# KiCad board armory.kicad_pcb (continued)
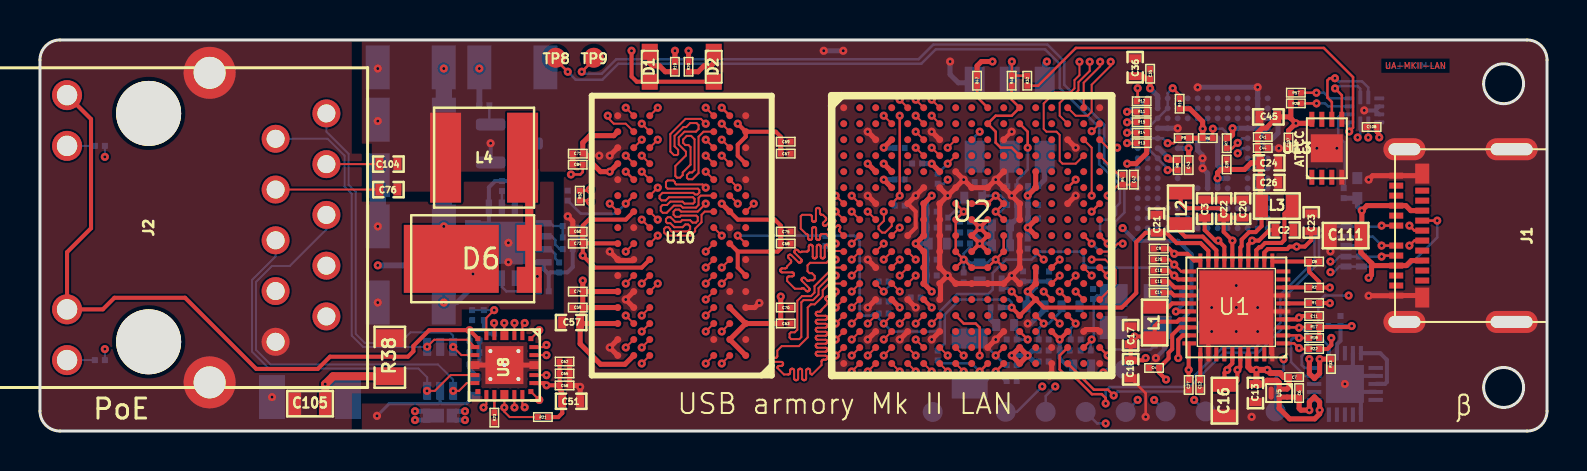
[diagram p0: board, top side]
## Footprints (pads in the part's own frame, mm; a bottom-side part is the same pattern mirrored in y, then rotated) (continued)
MICRON-FBGA-96
  round 0.35 smd: A1(1.3,13) A2(2.1,13) A3(2.9,13) A7(6.1,13) A8(6.9,13) A9(7.7,13) B1(1.3,12.2) B2(2.1,12.2) B3(2.9,12.2) B7(6.1,12.2) B8(6.9,12.2) B9(7.7,12.2) C1(1.3,11.4) C2(2.1,11.4) C3(2.9,11.4) C7(6.1,11.4) C8(6.9,11.4) C9(7.7,11.4) D1(1.3,10.6) D2(2.1,10.6) D3(2.9,10.6) D7(6.1,10.6) D8(6.9,10.6) D9(7.7,10.6) E1(1.3,9.8) E2(2.1,9.8) E3(2.9,9.8) E7(6.1,9.8) E8(6.9,9.8) E9(7.7,9.8) F1(1.3,9) F2(2.1,9) F3(2.9,9) F7(6.1,9) F8(6.9,9) F9(7.7,9) G1(1.3,8.2) G2(2.1,8.2) G3(2.9,8.2) G7(6.1,8.2) G8(6.9,8.2) G9(7.7,8.2) H1(1.3,7.4) H2(2.1,7.4) H3(2.9,7.4) H7(6.1,7.4) H8(6.9,7.4) H9(7.7,7.4) J1(1.3,6.6) J2(2.1,6.6) J3(2.9,6.6) J7(6.1,6.6) J8(6.9,6.6) J9(7.7,6.6) K1(1.3,5.8) K2(2.1,5.8) K3(2.9,5.8) K7(6.1,5.8) K8(6.9,5.8) K9(7.7,5.8) L1(1.3,5) L2(2.1,5) L3(2.9,5) L7(6.1,5) L8(6.9,5) L9(7.7,5) M1(1.3,4.2) M2(2.1,4.2) M3(2.9,4.2) M7(6.1,4.2) M8(6.9,4.2) M9(7.7,4.2) N1(1.3,3.4) N2(2.1,3.4) N3(2.9,3.4) N7(6.1,3.4) N8(6.9,3.4) N9(7.7,3.4) P1(1.3,2.6) P2(2.1,2.6) P3(2.9,2.6) P7(6.1,2.6) P8(6.9,2.6) P9(7.7,2.6) R1(1.3,1.8) R2(2.1,1.8) R3(2.9,1.8) R7(6.1,1.8) R8(6.9,1.8) R9(7.7,1.8) T1(1.3,1) T2(2.1,1) T3(2.9,1) T7(6.1,1) T8(6.9,1) T9(7.7,1)
MOLEX_105450-0101
  rect 0.3x0.7 smd: A1(-3,7.54) A2(-2.5,7.54) A3(-2,7.54) A4(-1.5,7.54) A5(-1,7.54) A6(-0.5,7.54) A7(0.5,7.54) A8(1,7.54) A9(1.5,7.54) A10(2,7.54) A11(2.5,7.54) A12(3,7.54) B2(2.25,6.24) B3(1.75,6.24) B4(1.25,6.24) B5(0.75,6.24) B6(0.25,6.24) B7(-0.25,6.24) B8(-0.75,6.24) B9(-1.25,6.24) B10(-1.75,6.24) B11(-2.25,6.24)
  rect 1x0.7 smd: B1(3.1,6.24) B12(-3.1,6.24)
  oval 1.1x2.1 hole 0.6x1.6: S(-4.32,7.13) S(4.32,7.13)
  oval 1.1x2.6 hole 0.6x2.1: S(-4.32,1.77) S(4.32,1.77)
RWB-QFN-12
  rrect 0.7x0.2 smd: 1(-0.65,0.2) 2(-0.65,-0.2) 7(0.65,-0.2) 8(0.65,0.2)
  rrect 0.2x0.5 smd: 3(-0.6,-0.75) 4(-0.2,-0.75) 5(0.2,-0.75) 6(0.6,-0.75) 9(0.6,0.75) 10(0.2,0.75) 11(-0.2,0.75) 12(-0.6,0.75)
SM0201
  rect 0.3x0.3 smd: 1(-0.25,0) 2(0.25,0)
SM0402
  rect 0.399x0.599 smd: 1(-0.45,0) 2(0.45,0)
SM0603
  rect 0.635x1.143 smd: 1(-0.762,0) 2(0.762,0)
SM0603_LED
  rect 0.8x0.8 smd: 1(-0.75,0) 2(0.75,0)
SM0805
  rect 0.889x1.397 smd: 1(-0.953,0) 2(0.953,0)
SM1210
  rect 1.2x2.2 smd: 1(-1.651,0) 2(1.651,0)
SOT1369-4
  rect 0.7x0.2 smd: 1(-2.35,1.8) 2(-2.35,1.4) 3(-2.35,1) 4(-2.35,0.6) 5(-2.35,0.2) 6(-2.35,-0.2) 7(-2.35,-0.6) 8(-2.35,-1) 9(-2.35,-1.4) 10(-2.35,-1.8) 21(2.35,-1.8) 22(2.35,-1.4) 23(2.35,-1) 24(2.35,-0.6) 25(2.35,-0.2) 26(2.35,0.2) 27(2.35,0.6) 28(2.35,1) 29(2.35,1.4) 30(2.35,1.8)
  rect 0.2x0.7 smd: 11(-1.8,-2.35) 12(-1.4,-2.35) 13(-1,-2.35) 14(-0.6,-2.35) 15(-0.2,-2.35) 16(0.2,-2.35) 17(0.6,-2.35) 18(1,-2.35) 19(1.4,-2.35) 20(1.8,-2.35) 31(1.8,2.35) 32(1.4,2.35) 33(1,2.35) 34(0.6,2.35) 35(0.2,2.35) 36(-0.2,2.35) 37(-0.6,2.35) 38(-1,2.35) 39(-1.4,2.35) 40(-1.8,2.35)
  rect 3.7x3.7 smd: 41(0,0)
SOT1534-2
  round 0.35 smd: A1(-6.4,6.4) A2(-5.6,6.4) A3(-4.8,6.4) A4(-4,6.4) A5(-3.2,6.4) A6(-2.4,6.4) A7(-1.6,6.4) A8(-0.8,6.4) A9(0,6.4) A10(0.8,6.4) A11(1.6,6.4) A12(2.4,6.4) A13(3.2,6.4) A14(4,6.4) A15(4.8,6.4) A16(5.6,6.4) A17(6.4,6.4) B1(-6.4,5.6) B2(-5.6,5.6) B3(-4.8,5.6) B4(-4,5.6) B5(-3.2,5.6) B6(-2.4,5.6) B7(-1.6,5.6) B8(-0.8,5.6) B9(0,5.6) B10(0.8,5.6) B11(1.6,5.6) B12(2.4,5.6) B13(3.2,5.6) B14(4,5.6) B15(4.8,5.6) B16(5.6,5.6) B17(6.4,5.6) C1(-6.4,4.8) C2(-5.6,4.8) C3(-4.8,4.8) C4(-4,4.8) C5(-3.2,4.8) C6(-2.4,4.8) C7(-1.6,4.8) C8(-0.8,4.8) C9(0,4.8) C10(0.8,4.8) C11(1.6,4.8) C12(2.4,4.8) C13(3.2,4.8) C14(4,4.8) C15(4.8,4.8) C16(5.6,4.8) C17(6.4,4.8) D1(-6.4,4) D2(-5.6,4) D3(-4.8,4) D4(-4,4) D5(-3.2,4) D6(-2.4,4) D7(-1.6,4) D8(-0.8,4) D9(0,4) D10(0.8,4) D11(1.6,4) D12(2.4,4) D13(3.2,4) D14(4,4) D15(4.8,4) D16(5.6,4) D17(6.4,4) E1(-6.4,3.2) E2(-5.6,3.2) E3(-4.8,3.2) E4(-4,3.2) E5(-3.2,3.2) E6(-2.4,3.2) E7(-1.6,3.2) E8(-0.8,3.2) E9(0,3.2) E10(0.8,3.2) E11(1.6,3.2) E12(2.4,3.2) E13(3.2,3.2) E14(4,3.2) E15(4.8,3.2) E16(5.6,3.2) E17(6.4,3.2) F1(-6.4,2.4) F2(-5.6,2.4) F3(-4.8,2.4) F4(-4,2.4) F5(-3.2,2.4) F6(-2.4,2.4) F7(-1.6,2.4) F8(-0.8,2.4) F9(0,2.4) F10(0.8,2.4) F11(1.6,2.4) F12(2.4,2.4) F13(3.2,2.4) F14(4,2.4) F15(4.8,2.4) F16(5.6,2.4) F17(6.4,2.4) G1(-6.4,1.6) G2(-5.6,1.6) G3(-4.8,1.6) G4(-4,1.6) G5(-3.2,1.6) G6(-2.4,1.6) G7(-1.6,1.6) G8(-0.8,1.6) G9(0,1.6) G10(0.8,1.6) G11(1.6,1.6) G12(2.4,1.6) G13(3.2,1.6) G14(4,1.6) G15(4.8,1.6) G16(5.6,1.6) G17(6.4,1.6) H1(-6.4,0.8) H2(-5.6,0.8) H3(-4.8,0.8) H4(-4,0.8) H5(-3.2,0.8) H6(-2.4,0.8) H7(-1.6,0.8) H8(-0.8,0.8) H9(0,0.8) H10(0.8,0.8) H11(1.6,0.8) H12(2.4,0.8) H13(3.2,0.8) H14(4,0.8) H15(4.8,0.8) H16(5.6,0.8) H17(6.4,0.8) J1(-6.4,0) J2(-5.6,0) J3(-4.8,0) J4(-4,0) J5(-3.2,0) J6(-2.4,0) J7(-1.6,0) J8(-0.8,0) J9(0,0) J10(0.8,0) J11(1.6,0) J12(2.4,0) J13(3.2,0) J14(4,0) J15(4.8,0) J16(5.6,0) J17(6.4,0) K1(-6.4,-0.8) K2(-5.6,-0.8) K3(-4.8,-0.8) K4(-4,-0.8) K5(-3.2,-0.8) K6(-2.4,-0.8) K7(-1.6,-0.8) K8(-0.8,-0.8) K9(0,-0.8) K10(0.8,-0.8) K11(1.6,-0.8) K12(2.4,-0.8) K13(3.2,-0.8) K14(4,-0.8) K15(4.8,-0.8) K16(5.6,-0.8) K17(6.4,-0.8) L1(-6.4,-1.6) L2(-5.6,-1.6) L3(-4.8,-1.6) L4(-4,-1.6) L5(-3.2,-1.6) L6(-2.4,-1.6) L7(-1.6,-1.6) L8(-0.8,-1.6) L9(0,-1.6) L10(0.8,-1.6) L11(1.6,-1.6) L12(2.4,-1.6) L13(3.2,-1.6) L14(4,-1.6) L15(4.8,-1.6) L16(5.6,-1.6) L17(6.4,-1.6) M1(-6.4,-2.4) M2(-5.6,-2.4) M3(-4.8,-2.4) M4(-4,-2.4) M5(-3.2,-2.4) M6(-2.4,-2.4) M7(-1.6,-2.4) M8(-0.8,-2.4) M9(0,-2.4) M10(0.8,-2.4) M11(1.6,-2.4) M12(2.4,-2.4) M13(3.2,-2.4) M14(4,-2.4) M15(4.8,-2.4) M16(5.6,-2.4) M17(6.4,-2.4) N1(-6.4,-3.2) N2(-5.6,-3.2) N3(-4.8,-3.2) N4(-4,-3.2) N5(-3.2,-3.2) N6(-2.4,-3.2) N7(-1.6,-3.2) N8(-0.8,-3.2) N9(0,-3.2) N10(0.8,-3.2) N11(1.6,-3.2) N12(2.4,-3.2) N13(3.2,-3.2) N14(4,-3.2) N15(4.8,-3.2) N16(5.6,-3.2) N17(6.4,-3.2) P1(-6.4,-4) P2(-5.6,-4) P3(-4.8,-4) P4(-4,-4) P5(-3.2,-4) P6(-2.4,-4) P7(-1.6,-4) P8(-0.8,-4) P9(0,-4) P10(0.8,-4) P11(1.6,-4) P12(2.4,-4) P13(3.2,-4) P14(4,-4) P15(4.8,-4) P16(5.6,-4) P17(6.4,-4) R1(-6.4,-4.8) R2(-5.6,-4.8) R3(-4.8,-4.8) R4(-4,-4.8) R5(-3.2,-4.8) R6(-2.4,-4.8) R7(-1.6,-4.8) R8(-0.8,-4.8) R9(0,-4.8) R10(0.8,-4.8) R11(1.6,-4.8) R12(2.4,-4.8) R13(3.2,-4.8) R14(4,-4.8) R15(4.8,-4.8) R16(5.6,-4.8) R17(6.4,-4.8) T1(-6.4,-5.6) T2(-5.6,-5.6) T3(-4.8,-5.6) T4(-4,-5.6) T5(-3.2,-5.6) T6(-2.4,-5.6) T7(-1.6,-5.6) T8(-0.8,-5.6) T9(0,-5.6) T10(0.8,-5.6) T11(1.6,-5.6) T12(2.4,-5.6) T13(3.2,-5.6) T14(4,-5.6) T15(4.8,-5.6) T16(5.6,-5.6) T17(6.4,-5.6) U1(-6.4,-6.4) U2(-5.6,-6.4) U3(-4.8,-6.4) U4(-4,-6.4) U5(-3.2,-6.4) U6(-2.4,-6.4) U7(-1.6,-6.4) U8(-0.8,-6.4) U9(0,-6.4) U10(0.8,-6.4) U11(1.6,-6.4) U12(2.4,-6.4) U13(3.2,-6.4) U14(4,-6.4) U15(4.8,-6.4) U16(5.6,-6.4) U17(6.4,-6.4)
SOT1969-1
  rect 0.74x0.74 smd: (-0.463,-0.463) (-0.463,0.463) (0.463,0.463)
  rect 0.725x0.2 smd: 1(-1.538,0.8) 2(-1.538,0.4) 3(-1.538,0) 4(-1.538,-0.4) 5(-1.538,-0.8) 11(1.538,-0.8) 12(1.538,-0.4) 13(1.538,0) 14(1.538,0.4) 15(1.538,0.8)
  rect 0.2x0.725 smd: 6(-0.8,-1.538) 7(-0.4,-1.538) 8(0,-1.538) 9(0.4,-1.538) 10(0.8,-1.538) 16(0.8,1.538) 17(0.4,1.538) 18(0,1.538) 19(-0.4,1.538) 20(-0.8,1.538)
  rect 1.9x1.9 smd: 21(0,0)
SOT-23
  rrect 1.475x0.6 smd: 1(-0.938,0.95) 2(-0.938,-0.95) 3(0.938,0)
SOT-65
  rect 0.9x0.4 smd: 1(-1.1,0.65) 2(-1.1,0) 3(-1.1,-0.65) 4(1.1,-0.65) 5(1.1,0) 6(1.1,0.65)
TLM364
  rect 1.25x1.3 smd: 1(1.525,1.05) 2(1.525,-1.05)
  rect 4.75x3.4 smd: 3(-2.375,0)
TQFN44-16
  rect 0.74x0.74 smd: (-0.463,-0.463) (-0.463,0.463) (0.463,0.463)
  rect 0.79x0.32 smd: 1(-1.77,0.975) 2(-1.77,0.325) 3(-1.77,-0.325) 4(-1.77,-0.975) 9(1.77,-0.975) 10(1.77,-0.325) 11(1.77,0.325) 12(1.77,0.975)
  rect 0.32x0.79 smd: 5(-0.975,-1.77) 6(-0.325,-1.77) 7(0.325,-1.77) 8(0.975,-1.77) 13(0.975,1.77) 14(0.325,1.77) 15(-0.325,1.77) 16(-0.975,1.77)
  rect 2.1x2.1 smd: 17(0,0)
TST
  round 1 smd: 1(0,0)
TSX-3225
  rect 1.4x1.15 smd: 1(-1.1,-0.8) 2(1.1,-0.8) 3(1.1,0.8) 4(-1.1,0.8)
UDFN-8
  rect 0.25x0.75 smd: 1(-0.75,-1.45) 2(-0.25,-1.45) 3(0.25,-1.45) 4(0.75,-1.45) 5(0.75,1.45) 6(0.25,1.45) 7(-0.25,1.45) 8(-0.75,1.45)
  rect 1.6x1.4 smd: T(0,0)
WE-LQS-5040
  rect 1.55x4.5 smd: 1(-1.925,0) 2(1.925,0)
WLCSP-6
  round 0.215 smd: A1(-0.2,0.4) A2(0.2,0.4) B1(-0.2,0) B2(0.2,0) C1(-0.2,-0.4) C2(0.2,-0.4)
WURTH_7499210121A
  round 3.25 hole 3.25 unplated: (-5.715,0) (5.715,0)
  round 1.4 hole 0.9: 1(5.715,-8.89) 2(4.445,-6.35) 3(3.175,-8.89) 4(1.905,-6.35) 5(0.635,-8.89) 6(-0.635,-6.35) 7(-1.905,-8.89) 8(-3.175,-6.35) 9(-4.445,-8.89) 10(-5.715,-6.35)
  round 1.5 hole 1.02: 11(6.63,4.08) 12(4.09,4.08) 13(-4.09,4.08) 14(-6.63,4.08)
  round 2.6 hole 1.6: S1(-7.745,-3.05) S2(7.745,-3.05)
X1SON-2
  rect 0.6x0.5 smd: 1(-0.5,0) 2(0.5,0)
XCVR_DP83825IRMQR
  rect 0.45x0.2 smd: 1(-1.475,0.9) 2(-1.475,0.5) 4(-1.475,-0.5) 5(-1.475,-0.9) 13(1.475,-0.9) 14(1.475,-0.5) 16(1.475,0.5) 17(1.475,0.9)
  rect 0.45x0.4 smd: 3(-1.475,0) 15(1.475,0)
  rect 0.25x0.25 smd: 6(-1.325,-1.325) 12(1.325,-1.325) 18(1.325,1.325) 24(-1.325,1.325)
  rect 0.2x0.45 smd: 7(-0.9,-1.475) 8(-0.5,-1.475) 10(0.5,-1.475) 11(0.9,-1.475) 19(0.9,1.475) 20(0.5,1.475) 22(-0.5,1.475) 23(-0.9,1.475)
  rect 0.4x0.45 smd: 9(0,-1.475) 21(0,1.475)
  round 0.4 hole 0.2: 25(-0.7,0.7) 25(-0.7,-0.7) 25(0,0) 25(0.7,0.7) 25(0.7,-0.7)
  rect 1.9x1.9 smd: 25(0,0)

## Nets
/eMMC/VDDI: C35.1 C36.1 U3.C1 U3.C2
/Power/VDD_ARM_CAP: C99.1 C101.1 C103.1 U2.G9 U2.G10 U2.G11 U2.H11
/Power/VDD_SNVS_CAP: C93.1 U2.N12
/Power/VDD_SOC_CAP: C92.1 C94.1 C96.1 C98.1 U2.G8 U2.H8 U2.J8 U2.J11 U2.K8 U2.K11 U2.L8 U2.L9 U2.L10 U2.L11
/USB/VDD_USB_CAP: C52.1 C53.1 U2.R12
GND: C1.2 C2.2 C3.2 C4.2 C5.2 C6.2 C7.2 C8.2 C9.2 C10.2 C11.2 C12.2 C13.2 C14.2 C15.2 C16.2 C17.2 C18.2 C20.2 C21.2 C22.2 C23.2 C24.2 C25.2 C26.2 C27.2 C28.2 C29.2 C30.2 C31.2 C32.2 C33.2 C34.2 C35.2 C36.2 C37.2 C38.2 C39.2 C40.2 C41.2 C42.2 C43.2 C44.2 C45.2 C46.2 C47.2 C48.2 C49.2 C50.2 C51.2 C52.2 C53.2 C54.2 C55.2 C56.2 C57.2 C58.2 C59.2 C60.2 C61.2 C62.2 C63.2 C64.2 C65.2 C66.2 C67.2 C68.2 C69.2 C70.2 C71.2 C72.2 C73.2 C74.2 C75.2 C76.2 C77.2 C78.2 C79.2 C80.2 C81.2 C82.2 C83.2 C84.2 C85.2 C86.2 C87.2 C88.2 C89.2 C90.2 C91.2 C92.2 C93.2 C94.2 C95.2 C96.2 C97.2 C98.2 C99.2 C100.2 C101.2 C102.2 C103.2 C104.2 C107.2 C108.2 C111.2 C112.2 C113.2 C114.2 J1.A1 J1.A12 J1.B1 J1.B12 J1.S L4.2 Q1.1 R5.2 R23.1 R26.2 R31.2 R33.2 R50.2 R51.2 R53.2 SW1.1 SW1.6 TP10.1 U1.5 U1.7 U1.32 U1.40 U1.41 U2.A1 U2.A17 U2.C3 U2.C7 U2.C11 U2.C15 U2.E8 U2.E11 U2.F6 U2.F7 U2.F8 U2.F9 U2.F10 U2.F11 U2.F12 U2.G3 U2.G5 U2.G7 U2.G12 U2.G15 U2.H7 U2.H12 U2.J5 U2.J7 U2.J12 U2.K7 U2.K12 U2.L3 U2.L7 U2.L12 U2.M7 U2.M8 U2.M9 U2.M10 U2.M11 U2.M12 U2.N3 U2.N5 U2.N7 U2.R3 U2.R5 U2.R7 U2.R11 U2.R16 U2.R17 U2.T10 U2.T14 U2.U1 U2.U14 U2.U17 U3.A6 U3.C4 U3.D4 U3.E7 U3.G5 U3.H10 U3.J5 U3.K8 U3.N1 U3.N2 U3.N5 U3.P4 U3.P6 U4.1 U4.14 U4.17 U4.19 U4.21 U5.C1 U5.C2 U6.3 U6.8 U8.9 U8.21 U8.25 U9.2 U10.A9 U10.B1 U10.B3 U10.B9 U10.D1 U10.D8 U10.E1 U10.E2 U10.E8 U10.F9 U10.G1 U10.G8 U10.G9 U10.J2 U10.J8 U10.M1 U10.M9 U10.P1 U10.P9 U10.T1 U10.T9 U13.4 U13.T U14.10 U14.11 U15.2 Y1.2 Y1.4
GNDPWR: C19.2 C105.2 C106.2 C109.2 C110.2 C115.2 C116.2 C117.2 D5.2 J2.10 J2.S1 J2.S2 R36.1 R37.1 R38.1 R40.1 R42.1 U7.3 U7.4 U7.5 U7.12 U7.17
VDD_ARM_SOC_IN: C17.1 C18.1 C87.1 C88.1 C89.1 C90.1 L1.2 U1.27 U2.H9 U2.H10 U2.J9 U2.J10 U2.K9 U2.K10
VDD_HIGH_CAP: C80.1 C100.1 C102.1 U2.N6 U2.R14 U2.R15
/Boot/BT_CFG1[5]: R48.1 U2.A12 U2.B10 U2.D12
/Boot/BT_CFG1[6]: R47.1 U2.A10
/Boot/BT_CFG2[5]: R27.1 U2.B12
/Crystals/JTAG_MOD: R26.1 TP7.1 U2.P15
/Crystals/JTAG_nSRST: TP1.1 U2.P8
/Crystals/JTAG_nTRST: TP6.1 U2.N14
/Crystals/JTAG_TCK: TP2.1 U2.M14
/Crystals/JTAG_TDI: TP4.1 U2.N16
/Crystals/JTAG_TDO: TP5.1 U2.N15
/Crystals/JTAG_TMS: TP3.1 U2.P14
/Crystals/RTC_XTALI: C30.1 U2.T11 Y2.1
/Crystals/RTC_XTALO: C31.1 U2.U11 Y2.2
/Crystals/UART2_RX: TP9.1 U2.J16
/Crystals/UART2_TX: TP8.1 U2.J17
/Crystals/XTALI: C28.1 R5.1 U2.T16 Y1.3
/Crystals/XTALO: C29.1 U2.T17 Y1.1
/DDR/DDR_ZQ: R53.1 U10.L8
/DDR/DRAM_A0: U2.L5 U10.N3
/DDR/DRAM_A1: U2.H2 U10.P7
/DDR/DRAM_A2: U2.K1 U10.P3
/DDR/DRAM_A3: U2.M2 U10.N2
/DDR/DRAM_A4: U2.K4 U10.P8
/DDR/DRAM_A5: U2.L1 U10.P2
/DDR/DRAM_A6: U2.G2 U10.R8
/DDR/DRAM_A7: U2.H4 U10.R2
/DDR/DRAM_A8: U2.J4 U10.T8
/DDR/DRAM_A9: U2.L2 U10.R3
/DDR/DRAM_A10: U2.M4 U10.L7
/DDR/DRAM_A11: U2.K3 U10.R7
/DDR/DRAM_A12: U2.L4 U10.N7
/DDR/DRAM_A13: U2.H3 U10.T3
/DDR/DRAM_A14: U2.G1 U10.T7
/DDR/DRAM_A15: U2.K5 U10.M7
/DDR/DRAM_CAS_B: U2.J2 U10.K3
/DDR/DRAM_CS0_B: U2.N2 U10.L2
/DDR/DRAM_D0: U2.T4 U10.E3
/DDR/DRAM_D1: U2.U6 U10.G2
/DDR/DRAM_D2: U2.T6 U10.F8
/DDR/DRAM_D3: U2.U7 U10.H3
/DDR/DRAM_D4: U2.U8 U10.H8
/DDR/DRAM_D5: U2.T8 U10.H7
/DDR/DRAM_D6: U2.T5 U10.F2
/DDR/DRAM_D7: U2.U4 U10.F7
/DDR/DRAM_D8: U2.U2 U10.D7
/DDR/DRAM_D9: U2.U3 U10.A7
/DDR/DRAM_D10: U2.U5 U10.B8
/DDR/DRAM_D11: U2.R4 U10.A2
/DDR/DRAM_D12: U2.P5 U10.A3
/DDR/DRAM_D13: U2.P3 U10.C8
/DDR/DRAM_D14: U2.R2 U10.C2
/DDR/DRAM_D15: U2.R1 U10.C3
/DDR/DRAM_DQM0: U2.T7 U10.E7
/DDR/DRAM_DQM1: U2.T3 U10.D3
/DDR/DRAM_RAS_B: U2.M5 U10.J3
/DDR/DRAM_RESET_B: R50.1 U2.G4 U10.T2
/DDR/DRAM_SDBA0: U2.M1 U10.M2
/DDR/DRAM_SDBA1: U2.H1 U10.N8
/DDR/DRAM_SDBA2: U2.K2 U10.M3
/DDR/DRAM_SDCKE0: R31.1 U2.M3 U10.K9
/DDR/DRAM_SDCLK0_N: R52.1 U2.P2 U10.K7
/DDR/DRAM_SDCLK0_P: R52.2 U2.P1 U10.J7
/DDR/DRAM_SDODT0: U2.N1 U10.K1
/DDR/DRAM_SDQS0_N: U2.P7 U10.G3
/DDR/DRAM_SDQS0_P: U2.P6 U10.F3
/DDR/DRAM_SDQS1_N: U2.T2 U10.B7
/DDR/DRAM_SDQS1_P: U2.T1 U10.C7
/DDR/DRAM_WE_B: U2.J1 U10.L3
/DDR/DRAM_ZQPAD: R51.1 U2.N4
/eMMC/SD2_CLK: R16.1 U3.M6
/eMMC/SD2_CLK_R: R16.2 U2.D8
/eMMC/SD2_CMD: R7.2 U2.C8 U3.M5
/eMMC/SD2_DATA0: R15.2 U2.D7 U3.A3
/eMMC/SD2_DATA1: R14.2 U2.B7 U3.A4
/eMMC/SD2_DATA2: R13.2 U2.A7 U3.A5
/eMMC/SD2_DATA3: R12.2 U2.D6 U3.A1 U3.B2
/eMMC/SD2_DATA4: R11.2 U2.C6 U3.A2 U3.B3
/eMMC/SD2_DATA5: R10.2 U2.B6 U3.B4 U3.C3 U3.D1 U3.D2
/eMMC/SD2_DATA6: R9.2 U2.A6 U3.B5 U3.C5
/eMMC/SD2_DATA7: R8.2 U2.A5 U3.B6 U3.C7
/eMMC/SD2_RESET_B: R6.2 U2.B4 U3.K5
/Ethernet/ENET2_RX_DATA0: U2.C17 U8.18
/Ethernet/ENET2_RX_DATA1: U2.C16 U8.17
/Ethernet/ENET2_RX_EN: U2.B17 U8.20
/Ethernet/ENET2_RX_ER: U2.D16 U8.22
/Ethernet/ENET2_TX_CLK: C42.1 R4.1 U8.13
/Ethernet/ENET2_TX_DATA0: U2.A15 U8.23
/Ethernet/ENET2_TX_DATA1: U2.A16 U8.24
/Ethernet/ENET2_TX_EN: U2.B15 U8.1
/Ethernet/LED0: R35.2 U8.4
/Ethernet/LED2: R30.2 U8.2
/Ethernet/RCT: C104.1 J2.3
/Ethernet/RD_N: J2.2 U8.7 U9.4
/Ethernet/RD_P: J2.1 U8.8 U9.6
/Ethernet/TCT: C76.1 J2.4
/Ethernet/TD_N: J2.6 U8.10 U9.3
/Ethernet/TD_P: J2.5 U8.11 U9.1
/Ethernet/V_POE: C105.1 D5.1 J2.9 R38.2 U7.2
/PMIC/LICELL: C12.1 U1.31
/PMIC/VCORE: C14.1 U1.24
/PMIC/VDIG: C15.1 U1.23
/PMIC/VSNVS_3V: C27.1 R1.1 R22.1 U1.30
/PMIC/VSYS: C1.1 C2.1 C3.1 C4.1 C8.1 C9.1 C16.1 R2.1 U1.11 U1.14 U1.17 U1.20 U1.26 U1.28 U1.35 U1.36
/Power/NVCC_PLL_OUT: C95.1 C97.1 U2.P13
/USB/USB1_CC1: J1.A5 U6.4 U6.7 U14.1
/USB/USB1_CC2: J1.B5 U6.5 U6.6 U14.2
/USB/USB1_DN: J1.A7 J1.B7 U2.T15 U6.1 U6.10
/USB/USB1_DP: J1.A6 J1.B6 U2.U15 U6.2 U6.9
/USB/USB1_VBUS: C6.1 C111.1 D4.1 J1.A4 J1.A9 J1.B4 J1.B9 R33.1 R34.1 U5.A2 U5.B2 U15.1
DCDC_3V3: C5.1 C11.1 C24.1 C26.1 C33.1 C39.1 C41.1 C43.1 C44.1 C45.1 C46.1 C47.1 C48.1 C51.1 C54.1 C55.1 C58.1 C61.1 C62.1 C64.1 C65.1 C72.1 C107.1 C108.1 J2.11 J2.13 L3.2 R17.1 R18.1 R21.2 R24.2 R25.2 R28.1 R29.1 R47.2 R57.1 SW1.3 SW1.4 TP11.1 U1.4 U1.15 U2.E13 U2.F4 U2.F13 U2.H13 U2.J13 U3.E6 U3.F5 U3.J10 U3.K9 U4.12 U8.6 U8.19 U13.8 U14.12
DDR_1V35: C10.1 C20.1 C22.1 C57.1 C59.1 C60.1 C63.1 C67.1 C68.1 C69.1 C70.1 C71.1 C73.1 C74.1 C75.1 C77.1 C78.1 C79.1 C81.1 C82.1 L2.2 U1.16 U1.22 U2.G6 U2.H6 U2.J6 U2.K6 U2.L6 U2.M6 U10.A1 U10.A8 U10.B2 U10.C1 U10.C9 U10.D2 U10.D9 U10.E9 U10.F1 U10.G7 U10.H2 U10.H9 U10.K2 U10.K8 U10.N1 U10.N9 U10.R1 U10.R9
DDR_VREF: C25.1 C66.1 C83.1 C84.1 U1.21 U2.P4 U10.H1 U10.M8
EMMC_1V8: C32.1 C34.1 R6.1 R7.1 R8.1 R9.1 R10.1 R11.1 R12.1 R13.1 R14.1 R15.1 U1.29 U2.E7 U3.C6 U3.M4 U3.N3 U3.N4 U3.P3 U3.P5
ENET_MDC: U2.L16 U8.16
ENET_MDIO: R21.1 U2.K17 U8.15
ENET_nRST: C56.1 R25.1 U2.N17 U8.5
ENET_PWRDN: R24.1 U2.M15 U8.3
I2C1_SCL: R17.2 U1.3 U2.L14 U4.10 U13.6 U14.8
I2C1_SDA: R18.2 U1.2 U2.L17 U4.9 U13.5 U14.7
LDO2_3V3: C21.1 C38.1 C40.1 C85.1 C86.1 C91.1 D1.2 D2.2 R3.1 U1.19 U2.L13 U2.M13 U2.N13 U2.P12
PMIC_WDI: R22.2 U1.1 U2.F15
POE_5V: C112.1 C113.1 C114.1 C115.1 C116.1 C117.1 D4.2 D6.3 R41.2 U7.1
SD_3V3_1V8: C23.1 C37.1 U1.12 U2.C4
SE050_ENA: R29.2 U2.G17 U4.11
TUSB_PORT: R32.1 U14.3
USB1_INT_B: R57.2 U2.K13 U14.6
VSYS_5V: C7.1 C13.1 C49.1 C50.1 U1.37 U2.T12 U2.U12 U5.A1 U5.B1
Net-(C109-Pad1): C109.1 R39.1
Net-(D1-K): D1.1 R19.1
Net-(D2-K): D2.1 R20.1
Net-(J2-LED_GREEN-): J2.14 R35.1
Net-(J2-LED_YELLOW-): J2.12 R30.1
Net-(Q1-C): Q1.3 R42.2 U7.8
Net-(Q1-E): Q1.2 R41.1
Net-(SW1A-B): R32.2 R48.2 SW1.2
Net-(SW1B-B): R27.2 SW1.5
Net-(U1-ONKEY): R2.2 U1.8
Net-(U1-PWRON): R1.2 U1.6
Net-(U1-SW1LX): L1.1 U1.25
Net-(U1-SW2LX): L2.1 U1.18
Net-(U1-SW3LX): L3.1 U1.13
Net-(U2D-CSI_DATA00): R19.2 U2.E4
Net-(U2D-CSI_DATA01): R20.2 U2.E3
Net-(U2F-ENET2_TX_CLK): R4.2 U2.D17
Net-(U2K-BOOT_MODE1): R3.2 U2.U10
Net-(U4-VCC): U4.15 U4.18
Net-(U7-COMP): C19.1 R39.2 U7.9
Net-(U7-CSS): C106.1 U7.10
Net-(U7-FSEL): R37.2 U7.15
Net-(U7-ILIM): R40.2 U7.11
Net-(U7-RCLASS): R36.2 U7.7
Net-(U7-SW): D6.1 D6.2 L4.1 U7.13
Net-(U7-VDD): C110.1 U7.6
Net-(U8-RBIAS): R23.2 U8.14
Net-(U14-ADDR): R28.2 U14.5
Net-(U14-VBUS_DET): R34.2 U14.4

Pads without a net: J1 A2 A3 A8 A10 A11 B2 B3 B8 B10 B11; J2 7 8; U1 9 10 33 34 38 39; U2 A2 A3 A4 A8 A9 A11 A13 A14 B1 B2 B3 B5 B8 B9 B11 B13 B14 B16 C1 C2 C5 C9 C10 C12 C13 C14 D1 D2 D3 D4 D5 D9 D10 D11 D13 D14 D15 E1 E2 E5 E6 E9 E10 E12 E14 E15 E16 E17 F1 F2 F3 F5 F14 F16 F17 G13 G14 G16 H5 H14 H15 H16 H17 J3 J14 J15 K14 K15 K16 L15 M16 M17 N8 N9 N10 N11 P9 P10 P11 P16 P17 R6 R8 R9 R10 R13 T9 T13 U9 U13 U16; U3 A7 A8 A9 A10 A11 A12 A13 A14 B1 B7 B8 B9 B10 B11 B12 B13 B14 C8 C9 C10 C11 C12 C13 C14 D3 D12 D13 D14 E1 E2 E3 E5 E8 E9 E10 E12 E13 E14 F1 F2 F3 F10 F12 F13 F14 G1 G2 G3 G10 G12 G13 G14 H1 H2 H3 H5 H12 H13 H14 J1 J2 J3 J12 J13 J14 K1 K2 K3 K6 K7 K10 K12 K13 K14 L1 L2 L3 L12 L13 L14 M1 M2 M3 M7 M8 M9 M10 M11 M12 M13 M14 N6 N7 N8 N9 N10 N11 N12 N13 N14 P1 P2 P7 P8 P9 P10 P11 P12 P13 P14; U4 2 3 4 5 6 7 8 13 16 20; U7 14 16; U8 12; U9 5; U10 J1 J9 L1 L9; U13 1 2 3 7; U14 9

## Via types
v1: diameter 0.406, hole 0.15, TOP to BOTTOM, 371 vias

## Routing (per net, layer and track width the routed paths; a pad name or vN(x,y) marks a point on that pad's centre or on a via; arc(x,y) is an arc through that point)
/eMMC/VDDI: length 2.4
  TOP w0.254: C36.1 55.14,17.76 55.27,17.63 C35.1 55.51,17.62 v1(55.51,17.15)
  BOTTOM w0.254: v1(55.51,17.15) 55.89,16.77 U3.C1 U3.C2
/Power/VDD_ARM_CAP: length 6.2
  TOP w0.127: U2.H11 v1(47.79,10.98) U2.G11 v1(47.79,11.78) U2.G10 U2.G9
  BOTTOM w0.127: v1(47.79,10.98) 48.03,10.98 C101.1 48.36,11.46 48.04,11.78 v1(47.79,11.78) 47.22,11.78 C103.1 47.24,11.81 C99.1
/Power/VDD_SNVS_CAP: length 1.1
  TOP w0.127: U2.N12 v1(48.59,6.98)
  BOTTOM w0.127: C93.1 48.44,7.13 v1(48.59,6.98)
/Power/VDD_SOC_CAP: length 11.9
  TOP w0.127: U2.G8 v1(46.19,10.98) U2.H8 U2.J8 U2.K8 v1(46.19,8.58) ; v1(47.79,8.58) U2.K11 U2.J11 ; v1(47.79,8.58) U2.L10 U2.L9 v1(46.19,8.58) ; v1(47.79,8.58) U2.L11 ; v1(46.19,8.58) U2.L8
  BOTTOM w0.127: v1(46.19,10.98) 45.72,10.98 C92.1 ; C94.1 46.51,9.2 46.19,8.88 v1(46.19,8.58) ; v1(47.79,8.58) 47.54,8.58 47.39,8.43 C98.1 46.49,8.43 46.34,8.58 v1(46.19,8.58) ; v1(46.19,8.58) C96.1
/USB/VDD_USB_CAP: length 1.9
  TOP w0.127: U2.R12 v1(49.39,4.58)
  BOTTOM w0.127: C53.1 48.84,5.18 C52.1 v1(49.39,4.58)
GND: length 121.6
  TOP w0.127: C18.2 55.29,1.89 v1(55.29,0.71)
  TOP w0.203: U2.G5 43.79,10.98 43.79,10.18 U2.J5 ; v1(59.83,6.19) 58.43,4.78 58.43,3.88 ; v1(59.83,6.19) 60.43,6.78 62.13,6.78 ; v1(59.83,6.19) 60.03,5.98 62.13,5.98 ; v1(59.83,6.19) 61.57,4.44 61.57,3.89 61.63,3.83 ; U2.C11 v1(48.59,14.98)
  TOP w0.254: U2.J12 U2.K12 U2.L12 v1(48.59,7.78) ; U2.H12 U2.G12 v1(48.59,11.78) ; U10.G8 29.64,8.53 28.94,8.53 U10.G9 v1(28.49,8.98) ; v1(35.97,6.41) 35.74,6.18 U10.D1 ; U2.R17 52.89,5.08 52.29,5.08 U2.R16 ; C20.2 C22.2 C3.2 ; v1(58.59,6.18) 58.6,6.19 v1(59.83,6.19) ; v1(59.83,6.19) 60.89,6.19 v1(60.89,6.18) ; v1(59.83,6.19) 59.8,6.19 v1(58.59,4.98) ; v1(59.83,6.19) 59.83,6.05 v1(60.89,4.98) ; v1(59.83,6.19) 59.83,7.27 v1(59.82,7.28) ; v1(59.83,6.19) 59.83,4.98 v1(59.82,4.98) ; v1(64.85,14.15) U13.T v1(63.85,14.15) ; v1(50.49,2.78) 50.59,2.88 U2.U14 ; v1(64.53,8.99) 64.53,8.99 C111.2 ; U2.R3 v1(41.39,4.58) ; C51.2 v1(27.01,2.21) 26.94,2.28 C58.2 C65.2 C62.2 ; v1(48.59,7.78) U2.M12 ; v1(48.59,7.78) U2.M11 U2.M10 U2.M9 U2.M8 v1(45.39,7.78) ; v1(45.39,7.78) U2.L7 U2.K7 U2.J7 U2.H7 U2.G7 v1(45.39,11.78) ; v1(45.39,7.78) U2.M7 45.03,7.34 45.03,6.62 U2.N7 ; U2.C7 v1(44.59,14.98) ; U2.R7 v1(44.59,4.58) ; v1(47.79,12.58) U2.F10 U2.F9 v1(46.19,12.58) ; v1(47.79,12.58) U2.F11 v1(48.59,11.78) ; v1(47.79,12.58) U2.E11 ; U2.G15 v1(51.79,11.78) ; U2.E8 v1(46.19,12.58) ; v1(46.19,12.58) U2.F8 v1(45.39,11.78) ; U2.L3 v1(41.39,8.58) ; U10.D8 v1(29.29,6.58) U10.E8 ; U2.G5 v1(43.79,11.78) U2.F6 ; v1(48.59,11.78) U2.F12 ; U10.B9 v1(28.49,4.18) U10.A9 ; U2.F7 v1(45.39,11.78) ; U2.N3 v1(41.39,6.18) ; U5.C1 U5.C2 ; U10.P9 v1(28.49,13.78) ; U2.R5 v1(42.99,4.58) ; U2.R11 v1(47.79,4.58) U2.T10 ; U8.21 U8.25 U8.9 ; 66.49,12.53 v1(66.44,12.58) 66.64,12.78 J1.A12 69.02,12.78 J1.B1 ; U2.G3 41.4,11.78 v1(41.39,11.78) ; C60.2 26.64,10.5 v1(26.39,10.75) ; U2.C3 v1(41.39,14.98) ; J1.B12 69.02,6.78 J1.A1 67.81,6.77 v1(66.44,6.77) ; U2.C15 v1(51.79,14.18) ; C84.2 C71.2 ; U2.N5 v1(43.79,6.18)
  BOTTOM w0.152: 20.01,1.45 U9.2 ; 20.01,1.45 19.93,1.37 17.46,1.37 v1(16.85,0.76) ; 20.01,1.45 20.09,1.37 21.33,1.37 C54.2
  BOTTOM w0.203: v1(65.26,2.36) 66.06,1.56 U4.1 ; v1(65.26,2.36) 65.66,1.96 U4.19 ; v1(65.26,2.36) 65.66,2.76 ; C29.2 56.24,4.09 v1(55.8,3.66) ; C61.2 C72.2 C64.2 ; U4.17 65.66,2.76 ; 65.66,2.76 U4.14 ; Q1.1 22.54,14.4 v1(22.53,14.4) ; U3.P4 U3.N5 U3.P6 ; U14.10 66.77,16.05 ; 66.77,16.05 v1(66.22,16.05) ; 66.77,16.05 U14.11
  BOTTOM w0.254: U3.G5 57.89,14.04 58.14,13.8 v1(58.14,13.65) v1(58.14,13.15) 58.39,12.89 U3.H10 ; U3.J5 58.89,13.29 59.04,13.15 U3.K8 ; v1(49.39,5.38) 49.54,5.38 50.24,6.07 C85.2 ; v1(48.59,11.78) 48.86,11.51 48.86,10.64 C88.2 C87.2 ; C53.2 47.54,5.59 C91.2 ; v1(45.51,18.49) 45.51,17.84 45.92,17.43 SW1.1 ; v1(59.82,7.28) 59.83,7.27 v1(59.83,6.19) ; v1(59.82,4.98) 59.83,4.98 v1(59.83,6.19) ; SW1.6 50.24,12.58 C55.2 ; v1(57.89,17.2) 57.9,17.2 v1(60.89,17.2) U3.N1 U3.N2 ; v1(59.83,6.19) 60.89,6.19 v1(60.89,6.18) v1(60.89,4.98) ; v1(59.83,6.19) 58.6,6.19 v1(58.59,6.18) v1(58.59,4.98) ; U3.P6 v1(61.95,14.15) ; U6.3 65.31,9.23 ; 66.49,12.53 v1(66.44,12.58) ; U3.C4 U3.D4 v1(56.89,15.15) ; v1(64.85,14.15) v1(63.85,14.15) ; v1(40.17,19.03) v1(39.19,19.03)
  vias: v1(16.89,18.14) v1(16.89,15.51) v1(27.97,13.78) v1(60.59,0.71)
GNDPWR: length 18.3
  BOTTOM w0.1: 16.89,6.43 v1(16.89,6.43)
  BOTTOM w0.203: 25.44,7.85 25.19,8.1 U7.12 25.19,8.45 v1(23.42,8.45) v1(23.42,9.42) ; 25.44,7.85 25.53,7.94 R40.1 26.37,7.94 26.64,8.21 C106.2 C19.2 27.18,9.69 C109.2 ; 25.44,7.85 R37.1 ; U7.4 22.45,10.39 ; 22.45,10.39 v1(23.42,9.42) ; 22.45,10.39 22.45,12.19 22.76,12.51 C110.2 R36.1 R42.1 ; v1(23.42,9.42) 23.1,9.75 U7.3
  BOTTOM w0.822: v1(16.89,10.24) 16.89,10.24 16.89,12.8
  vias: v1(11.6,1.7)
VDD_ARM_SOC_IN: length 13.9
  TOP w0.203: v1(46.99,10.18) U2.J10 v1(46.99,9.38) ; v1(46.99,10.18) U2.J9 v1(46.99,9.38) ; v1(46.99,10.18) U2.H10 ; v1(46.99,10.18) U2.H9 ; v1(55.29,3.66) 55.18,3.54 C18.1 C17.1 54.54,4.54 v1(54.73,4.73) 55.68,4.73 L1.2 55.74,5.25 55.97,5.47 56.87,5.47 56.98,5.58 U1.27 ; v1(46.99,9.38) U2.K10 ; v1(46.99,9.38) U2.K9
  BOTTOM w0.203: C90.1 46.68,9.94 46.99,9.63 v1(46.99,9.38) 47.52,9.38 C87.1 ; C88.1 47.5,10.18 v1(46.99,10.18) 46.68,10.49 C89.1
  BOTTOM w0.254: C87.1 C88.1
VDD_HIGH_CAP: length 4.2
  TOP w0.203: U2.N6 v1(44.59,6.18) ; U2.R15 v1(50.99,4.58) U2.R14
  BOTTOM w0.203: v1(44.59,6.18) 44.09,6.68 C80.1 ; C102.1 51.35,3.28 50.99,3.64 C100.1 v1(50.99,4.58)
/Boot/BT_CFG1[5]: length 5.8
  TOP w0.127: U2.D12 48.59,14.18 48.04,14.18 47.79,14.43 47.79,14.98 U2.B10 47.79,15.78 48.59,15.78 U2.A12 48.59,16.58 R48.1
/Boot/BT_CFG1[6]: length 1.3
  TOP w0.127: R47.1 46.86,16.71 U2.A10
/Boot/BT_CFG2[5]: length 3.5
  TOP w0.127: v1(49.39,14.18) 49.39,14.98 U2.B12
  BOTTOM w0.127: v1(49.39,14.18) 49.39,13.08 48.87,12.55 48.87,12.25
/Crystals/JTAG_MOD: length 6
  TOP w0.127: U2.P15 v1(51.79,5.38)
  SIGNAL_1 w0.127: v1(53.17,2.93) 52.99,3.11 52.99,4.83 52.44,5.38 v1(51.79,5.38)
  BOTTOM w0.127: v1(51.79,5.38) 51.54,5.13 R26.1 ; v1(53.17,2.93) 53.32,3.08 TP7.1
/Crystals/JTAG_nSRST: length 12.8
  TOP w0.127: v1(46.99,3.78) 46.99,5.18 46.79,5.38 46.19,5.38 U2.P8
  SIGNAL_1 w0.127: v1(53.29,0.38) 48.74,0.38 47.39,1.73 47.39,3.38 v1(46.99,3.78)
  BOTTOM w0.127: TP1.1 52.87,0.38 v1(53.29,0.38)
/Crystals/JTAG_nTRST: length 8
  TOP w0.127: U2.N14 v1(50.19,6.98)
  SIGNAL_1 w0.127: v1(50.19,6.98) 49.79,6.58 49.79,5.06 50.12,4.73 v1(50.12,2.23)
  BOTTOM w0.127: v1(50.12,2.23) 48.85,0.96 TP6.1
/Crystals/JTAG_TCK: length 12.4
  TOP w0.127: v1(50.99,7.78) U2.M14
  SIGNAL_1 w0.127: v1(50.99,7.78) 50.99,7.61 51.39,7.2 51.39,6.84 55.29,2.94 55.29,1.33 55.64,0.98 57.14,0.98 v1(57.72,1.55)
  BOTTOM w0.127: TP2.1 v1(57.72,1.55)
